# Altium PCB WL_RFFC.PcbDoc (part 2 of 3)
Units mm, origin at the board's own origin, x right, y up, seen from the top; angles counter-clockwise.
Board outline 175.23 x 130 mm, 2 copper layers (Top Layer, Bottom Layer), stack 1.57 mm thick; 373 components, 223 nets, 1150 pads, 1060 vias.
Unrouted connection lines stored in the file: 1.
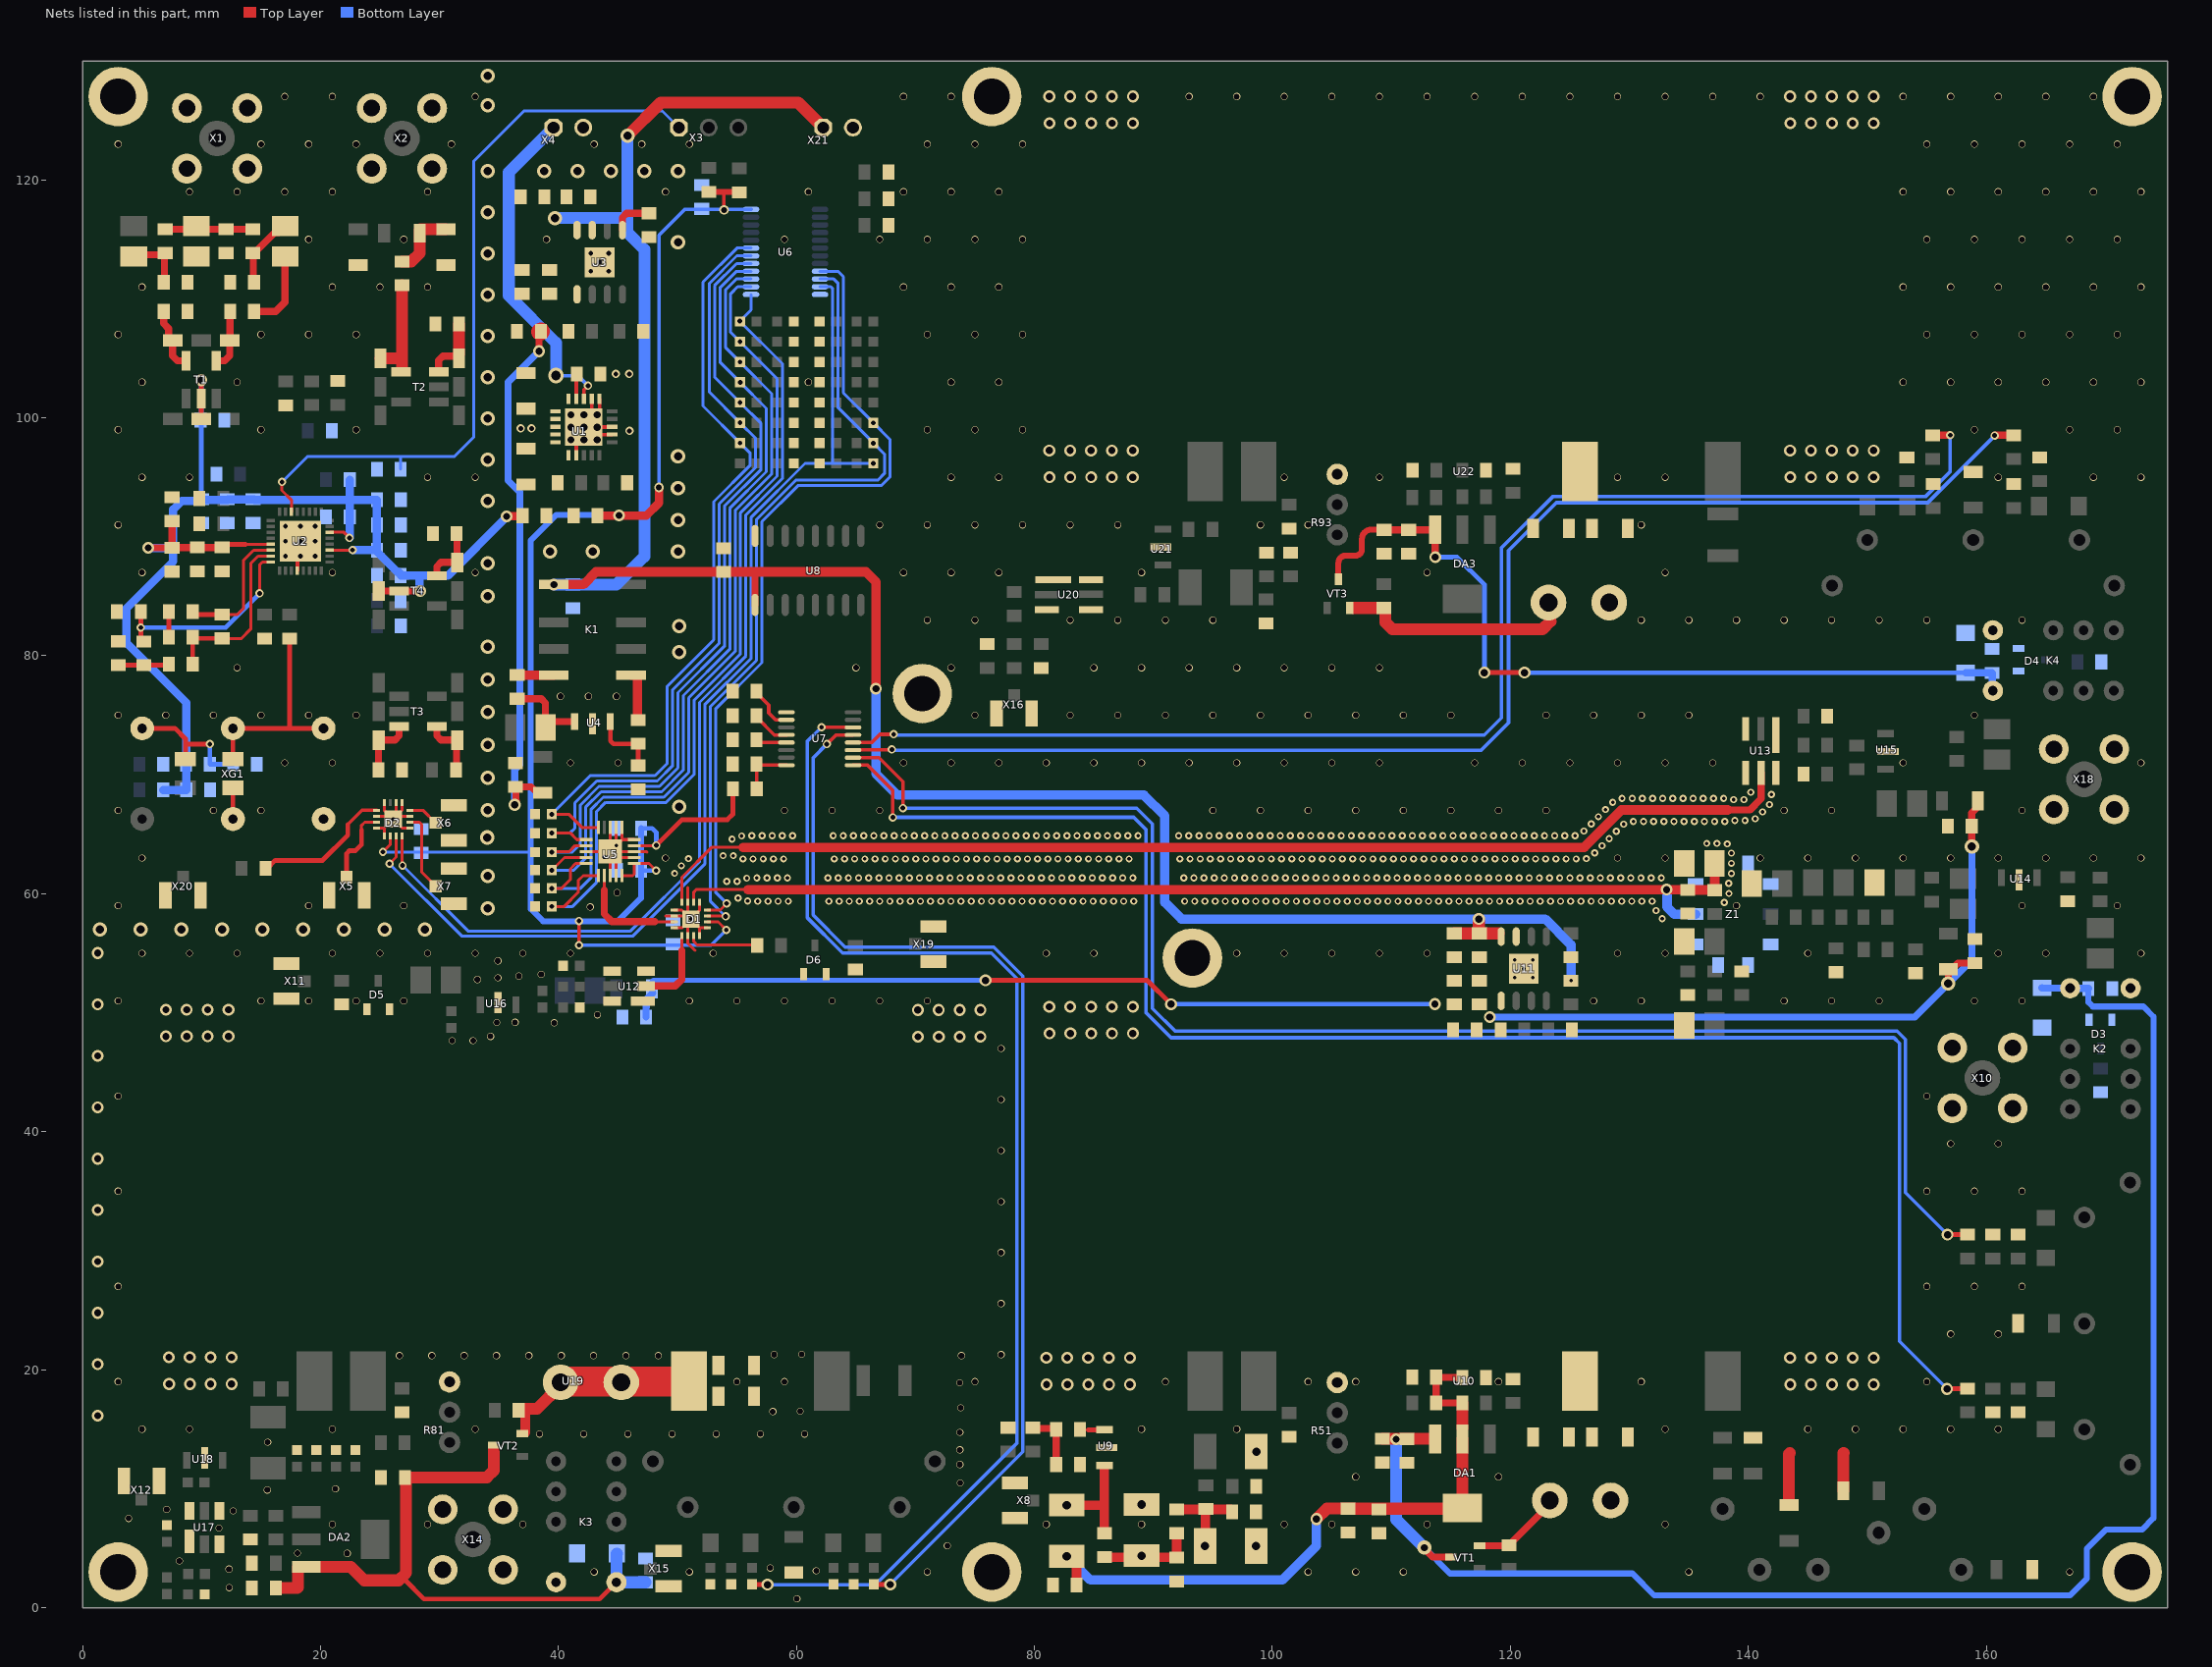
[diagram p2: the nets of this part, all layers, seen from the top]

## Via types
v1: diameter 0.6, hole 0.5, Top Layer to Bottom Layer, tented both sides, 413 vias
v2: diameter 0.6, hole 0.3, Top Layer to Bottom Layer, 380 vias
v3: diameter 1, hole 0.6, Top Layer to Bottom Layer, tented both sides, 135 vias
v4: diameter 0.7, hole 0.4, Top Layer to Bottom Layer, tented both sides, 63 vias
v5: diameter 1.2, hole 0.7, Top Layer to Bottom Layer, tented both sides, 51 vias
v6: diameter 1.27, hole 0.711, Top Layer to Bottom Layer, 12 vias
v7: diameter 0.8, hole 0.5, Top Layer to Bottom Layer, tented both sides, 2 vias
v8: diameter 0.6, hole 0.3, Top Layer to Bottom Layer, tented both sides, 1 vias
v9: diameter 0.8, hole 0.4, Top Layer to Bottom Layer, tented both sides, 1 vias
v10: diameter 1.2, hole 0.6, Top Layer to Bottom Layer, tented both sides, 1 vias
v11: diameter 1.3, hole 0.8, Top Layer to Bottom Layer, tented both sides, 1 vias

## Nets (pads, with @x,y where several pads share a name; then routed paths per layer and width w, separated by ;. In a path a pad name is that pad's centre, name@x,y a point inside that pad or via, vN(x,y) a via of type N, cw(c..) or ccw(c..) an arc to the next point about the centre after c; other vN are vias at no path point)
+3.3V: C9.2 C10.2 C14.2 C16.2 C20.2 C21.2 C22.2 C23.2 C24.2 C25.2 C26.2 C27.2 C28.2 C35.2 C56.1 C57.1 C58.2 C61.1 C62.1 D1.2 D2.2 FB1.2 FB2.2 FB3.1 R10.2 R17.1 R18.1 R23.1 R24.1 T1.2 T4.2 U2.5 U2.19 U2.22 U5.5 U5.6 U5.9 U6.24 | length 255.3
  Top Layer w0.25: 13.719,89.375 13.722,89.378 U2.5@15.838,89.378 ; U2.19@20.788,88.878 20.793,88.883 22.693,88.883 v4(22.698,88.888) ; U2.22@20.788,90.378 21.972,90.378 v4@22.375,89.975 ; v4@25.25,63.525 25.861,64.136 D2.2@25.861,64.865 ; U5.5@45.35,61.525 46.25,61.525 46.375,61.65 U5.6@46.375,62.55 47.606,62.55 v4(48.206,61.95) ; U5.9@46.375,64.05 v4@48.127,64.05 ; D1.2@52.521,57.633 53.417,57.633 v4@54.1,56.95
  Top Layer w0.3: v4@41.725,55.7 41.727,55.702 v4(41.727,57.71) ; v7(53.912,117.471) 53.912,118.961 53.929,118.978
  Top Layer w0.4: C22.2@7.524,89.08 C22.2@7.536,89.091 ; T1.2@9.971,99.902 T1.2@9.971,101.612 v3@9.971,103.121 ; C20.2@11.724,89.091 C20.2@11.736,89.103 ; C20.2@11.849,89.075 12.149,89.375 13.719,89.375 ; v4(48.217,64.065) 50.377,66.225 54.2,66.225 54.661,66.686 FB3.1@54.661,68.813
  Top Layer w0.5: R23.1@52.648,119.002 52.672,118.978 53.929,118.978 55.186,118.978 R24.1@55.21,118.954
  Top Layer w0.6: v3(5.534,89.067) 5.541,89.073 7.518,89.073 C22.2@7.524,89.08 C21.2@7.524,91.323 ; C22.2@7.536,89.091 C20.2@11.724,89.091 ; T4.2@24.899,85.455 T4.2@26.609,85.455 v3@28.27,85.455
  Top Layer w0.7: v3(35.65,91.725) 35.676,91.751 36.959,91.751 FB2.2@36.986,91.778 ; FB1.2@43.273,91.778 v3@44.997,91.778 ; v3(45.084,91.795) 47.395,91.795 48.45,92.85 v7(48.45,94.15)
  Bottom Layer w0.25: v4(25.247,63.515) 37.578,63.515 37.675,63.418
  Bottom Layer w0.3: v4(41.723,55.681) 52.827,55.681 v4(54.111,56.964) ; v7(48.45,94.15) 48.45,115.35 50.616,117.516 U6.24@56.183,117.516
  Bottom Layer w0.4: v3(9.984,103.163) 9.984,93.138 C26.2@10.021,93.1 ; C57.1@46.935,61.98 46.965,61.95 v4(48.206,61.95) v4@48.211,61.955 ; C56.1@46.935,65.5 47.871,65.5 48.217,65.155 v4(48.217,64.065) v4@48.211,64.059
  Bottom Layer w0.5: v3@45.084,91.825 39.8,91.825 37.675,89.7 37.675,63.418 37.675,58.722 38.709,57.688 45,57.688 46.935,59.623 C57.1@46.935,61.98 C56.1@46.935,65.5
  Bottom Layer w0.7: v3(5.534,89.067) 7.215,89.067 ; R18.1@6.785,68.735 C35.2@8.724,68.735 8.715,68.744 8.715,70.87 R17.1@8.706,70.879 8.706,76.069 3.7,81.075 3.7,84 7.625,87.925 7.625,92.3 8.346,93.021 9.943,93.021 10.021,93.1 12.18,93.1 12.238,93.158 C25.2@14.338,93.158 14.401,93.158 14.445,93.114 22.464,93.114 ; v4@22.453,89.902 22.453,91.814 22.464,91.825 22.464,93.114 ; R10.2@22.464,94.796 22.464,93.114 ; v4@22.723,88.888 22.734,88.877 C14.2@24.737,88.877 ; 28.327,86.398 28.327,85.505 v3(28.384,85.448) ; v3(35.65,91.725) 35.65,91.675 30.726,86.751 C28.2@26.738,86.751 26.738,86.876 26.588,87.026 26.476,87.026 24.748,88.753 C14.2@24.748,88.878 C9.2@24.748,90.996 C10.2@24.748,93.114 22.464,93.114
  other v4: 22.428,89.902
+5IN: C1.2 U1.13 U1.15 U1.16 X4.1 | length 28.3
  Top Layer w0.3: U1.13@42.15,101.6 42.15,102.364 v4(42.484,102.698)
  Bottom Layer w0.3: v11(39.799,103.55) 41.633,103.55 v4(42.484,102.698)
  Bottom Layer w1: X4.1@39.586,124.399 35.825,120.638 35.825,110.275 39.799,106.301 v11(39.799,103.55)
+5PGA: C44.2 C45.2 C46.2 C48.2 R20.2 R22.2 U3.5 | length 44.7
  Top Layer w0.6: C48.2@36.388,68.986 36.419,68.955 36.419,67.831 v3@36.45,67.8 ; C48.2@36.415,68.986 37.714,68.986 38.2,68.5 R22.2@38.202,68.5 ; v3@38.375,105.7 38.375,107.01 38.521,107.156 C46.2@38.521,107.281
  Top Layer w1.5: C46.2@38.475,107.235 C46.2@38.521,107.281
  Bottom Layer w0.6: v3(36.325,67.475) 36.325,70.425 36.75,70.85 36.75,93.75 35.775,94.725 35.775,102.999 v3(38.373,105.597)
+5PGA_1: C96.2 C97.2 C99.2 C109.2 C110.2 C111.2 R59.2 R70.2 R71.2 R72.2 U11.5 | length 128.3
  Top Layer w0.4: v3@75.9,52.731 89.47,52.731 v3(91.482,50.719)
  Top Layer w0.6: v5(156.8,52.45) 156.804,52.454 156.804,53.658 R70.2@156.807,53.662 ; R70.2@156.804,53.662 R70.2@156.807,53.662 ; v5@158.774,64.049 C110.2@158.774,65.694 158.777,65.697 158.777,66.802 159.225,67.25 R71.2@159.225,67.38 ; C109.2@159.024,54.186 159.012,54.174 157.619,54.174 157.107,53.662 R70.2@156.807,53.662
  Bottom Layer w0.4: R72.2@47.705,52.459 47.978,52.731 v3@75.9,52.731 ; v3@91.52,50.725 v3@113.675,50.725
  Bottom Layer w0.6: C111.2@47.367,49.65 47.373,51.103 R72.2@47.925,51.65 ; v3(118.267,49.632) 153.982,49.632 v5(156.8,52.45) 158.789,54.439 v5(158.789,63.961)
  other v3: 113.657,50.725 75.883,52.718
+12V: C39.2 C40.2 C42.2 C88.2 C89.2 C146.2 K1.1 R58.2 U3.4 U8.9 U11.4 X21.1 | length 192
  Top Layer w0.6: 56.19,87.05 56.521,86.72 U8.9@56.521,84.278
  Top Layer w0.8: K1.1@39.607,86 42.1,86 43.15,87.05 C146.2@53.875,87.05 56.19,87.05 65.85,87.05 66.7,86.2 v3@66.7,77.25
  Top Layer w1: v5(45.817,123.712) 48.605,126.5 60.149,126.5 X21.1@62.25,124.399 ; C88.2@115.286,56.672 C89.2@117.387,56.672 U11.4@119.02,56.672 ; C89.2@117.35,56.95 v3(117.35,57.875)
  Bottom Layer w0.8: v3(66.683,77.241) 66.683,70.092 68.475,68.3 89.2,68.3 90.95,66.55 90.95,59.289 92.364,57.875 v3(117.35,57.875) 122.925,57.875 125.098,55.702 v8(125.098,52.701)
  Bottom Layer w1: v3(39.618,85.988) 44.863,85.988 47.225,88.35 47.225,114.15 45.8,115.575 v5@45.8,123.725 ; v5(39.715,116.792) 45.55,116.792
+12V_1.2G: C121.2 C124.2 R82.2 U19.3 VT2.2 X13.1 | length 17.3
  Top Layer w0.8: R82.2@36.901,16.578 36.901,16.453 37.208,16.146 VT2.2@37.208,14.72
  Top Layer w1: R82.2@36.901,16.578 36.901,16.703 38.192,16.703 40.179,18.69 X13.1@40.179,18.939
  Top Layer w2.5: X13.1@40.179,18.939 40.235,18.995 50.929,18.995 U19.3@50.984,19.05
+12V_144: C77.2 C79.2 R52.2 U10.3 VT1.2 X9.1 | length 6.6
  Top Layer w0.6: VT1.2@117.41,5.198 119.823,5.198 X9.1@122.75,8.125
+12V_430: C138.2 C140.2 R94.2 U22.3 VT3.2 X17.1 | length 18.8
  Top Layer w1: 106.825,84.025 R94.2@109.375,84.025 109.5,84.025 109.5,82.811 110.086,82.225 122.7,82.225 123.375,82.9 ; X17.1@123.203,83.936 X17.1@123.203,84.477
ATT_1: C54.2 R41.1 U5.19 U6.16 | length 68.6
  Top Layer w0.25: v4(39.439,61.98) 40.51,63.05 U5.19@42.325,63.05
  Bottom Layer w0.25: v4(39.439,61.98) 41.28,61.98 42.275,62.975 42.275,67.261 43.589,68.575 48.677,68.575 50.5,70.398 50.5,76.65 54.4,80.55 54.4,92.391 57.475,95.466 57.475,100.786 v4(55.271,102.991) 53.575,104.686 53.575,110.929 54.961,112.316 U6.16@56.183,112.316
ATT_2: C55.2 R42.1 U5.17 U6.17 | length 67.4
  Top Layer w0.25: v4(39.439,63.503) 39.481,63.545 40.895,63.545 41.4,64.05 U5.17@42.325,64.05
  Bottom Layer w0.25: v4(39.439,63.503) 41.153,63.503 41.825,64.175 41.825,67.448 43.402,69.025 48.491,69.025 50.05,70.584 50.05,76.9 53.95,80.8 53.95,92.577 57.025,95.652 57.025,99.527 v4(55.261,101.291) 53.125,103.427 53.125,111.116 54.975,112.966 U6.17@56.183,112.966
ATT_4: C50.2 R43.1 U5.16 U6.18 | length 66.4
  Top Layer w0.25: v4(39.436,65.116) 40.984,65.116 41.55,64.55 U5.16@42.325,64.55
  Bottom Layer w0.25: v4(39.436,65.116) 40.991,65.116 41.375,65.5 41.375,67.634 43.216,69.475 48.304,69.475 49.6,70.771 49.6,77.15 53.5,81.05 53.5,92.764 56.575,95.839 56.575,98.272 v4(55.261,99.586) 52.675,102.172 52.675,111.302 54.989,113.616 U6.18@56.183,113.616
ATT_05: C53.2 R40.1 U5.20 U6.15 | length 70.8
  Top Layer w0.25: v4(39.439,60.456) 40.256,60.456 41,61.2 41,62.1 41.45,62.55 U5.20@42.325,62.55
  Bottom Layer w0.25: v4(39.439,60.456) 41.856,60.456 42.725,61.325 42.725,67.075 43.775,68.125 48.864,68.125 50.95,70.211 50.95,76.464 54.85,80.364 54.85,92.204 57.925,95.279 57.925,102.031 v4(55.261,104.695) 54.025,105.931 54.025,110.743 54.948,111.666 U6.15@56.183,111.666
ATT_8: C51.2 R44.1 U5.15 U6.19 | length 66.1
  Top Layer w0.25: v4(39.439,66.688) 40.862,66.688 41.975,65.575 U5.15@43.35,65.575
  Bottom Layer w0.25: v4(39.439,66.688) 42.676,69.925 48.118,69.925 49.15,70.957 49.15,77.45 53.05,81.35 53.05,92.95 56.125,96.025 56.125,97.018 v4(55.261,97.882) 52.15,100.993 52.15,111.414 55.002,114.266 U6.19@56.183,114.266
ATT_16: C52.2 R39.1 U5.1 U6.14 | length 72.5
  Top Layer w0.25: v4(39.439,58.933) 40.483,58.933 41.675,60.125 41.675,61.125 42.075,61.525 U5.1@43.35,61.525
  Bottom Layer w0.25: v4(39.439,58.933) 41.183,58.933 43.175,60.925 43.175,66.889 43.961,67.675 49.05,67.675 51.4,70.025 51.4,76.269 55.3,80.169 55.3,92.018 58.375,95.093 58.375,103.286 v4(55.261,106.4) 54.475,107.186 54.475,110.425 55.066,111.016 U6.14@56.183,111.016
BWD_1.2: R87.2 U7.6 | length 104.9
  Top Layer w0.3: v4@62.075,73.975 62.082,73.982 U7.6@64.754,73.982
  Top Layer w0.4: R87.2@56.264,1.954 57.346,1.954 v3@57.35,1.95
  Bottom Layer w0.3: v3(57.572,1.934) 66.634,1.934 78.532,13.832 78.532,52.879 76.386,55.025 64.2,55.025 63.893,55.025 60.9,58.018 60.9,58.325 60.9,72.796 v4(62.104,74)
BWD_144: R57.2 U7.2 | length 128.1
  Top Layer w0.3: U7.2@64.754,71.442 66.933,71.442 68.95,69.425 v4(68.95,67.2)
  Top Layer w0.4: v3@156.853,31.353 R57.2@158.414,31.353
  Bottom Layer w0.3: v4(68.95,67.2) 88.6,67.2 89.925,65.875 89.925,50.35 91.825,48.45 152.5,48.45 153.2,47.75 153.2,34.888 v3(156.738,31.35)
BWD_430: R99.2 U7.3 | length 117
  Top Layer w0.3: U7.3@64.754,72.077 64.763,72.087 67.987,72.087 v4(68.025,72.125)
  Top Layer w0.6: v4@160.71,98.535 R99.2@162.289,98.535
  Bottom Layer w0.3: v4(68.025,72.125) 68.089,72.061 117.536,72.061 119.85,74.375 119.85,88.85 123.875,92.875 133.275,92.875 155.082,92.875 160.697,98.489 v4(160.697,98.515)
D1_V1: D1.4 R35.1 U6.9 | length 68.8
  Top Layer w0.25: D1.4@52.521,58.633 53.583,58.633 v4(54.138,59.188)
  Bottom Layer w0.25: v4(54.138,59.188) 53.2,60.126 53.2,75.523 57.1,79.423 57.1,81.875 57.1,91.272 60.128,94.3 67.125,94.3 67.85,95.025 67.85,98.202 v4(66.47,99.582) 63.95,102.102 63.95,111.861 63.495,112.316 U6.9@61.983,112.316
D1_V2: D1.3 R36.1 U6.10 | length 68.7
  Top Layer w0.25: D1.3@52.521,58.133 54.017,58.133 v4(54.05,58.1)
  Bottom Layer w0.25: v4(54.05,58.1) 52.75,59.4 52.75,75.709 56.65,79.609 56.65,91.459 59.941,94.75 66.825,94.75 67.4,95.325 67.4,96.947 v4(66.47,97.877) 63.5,100.847 63.5,111.3 63.134,111.666 U6.10@61.983,111.666
D2_V1: D2.4 R38.1 U6.13 | length 84.6
  Top Layer w0.25: D2.4@26.861,64.865 26.861,62.419 v4(26.897,62.382)
  Bottom Layer w0.25: v4(26.897,62.382) 32.405,56.875 46.05,56.875 51.85,62.675 51.85,76.082 55.75,79.982 55.75,91.832 58.825,94.907 58.825,104.539 v4(55.238,108.126) 56.183,109.071 U6.13@56.183,110.366
D2_V2: D2.3 R37.1 U6.11 | length 92.9
  Top Layer w0.25: v4(25.802,62.531) 26.361,63.089 D2.3@26.361,64.865
  Bottom Layer w0.25: v4@25.708,62.617 31.9,56.425 46.236,56.425 52.3,62.489 52.3,75.896 56.2,79.796 56.2,91.645 60.732,96.177 v4(66.47,96.177) ; U6.11@61.983,111.016 62.884,111.016 63.05,110.85 63.05,96.25
ENX: C17.2 U2.30 X3.1 | length 64.3
  Top Layer w0.25: v4@16.75,94.575 16.75,93.901 17.563,93.088 U2.30@17.563,92.103
  Bottom Layer w0.25: v4(16.775,94.61) 18.915,96.75 31.25,96.75 32.875,98.375 32.875,121.575 37.1,125.8 48.724,125.8 X3.1@50.125,124.399 ; C17.2@26.738,95.682 26.738,96.684 26.752,96.698
FWD_1.2: R83.2 U7.5 | length 94.1
  Top Layer w0.3: v4(62.55,72.575) 63.322,73.347 U7.5@64.754,73.347
  Top Layer w0.4: R83.2@66.503,1.954 v3@67.721,1.954
  Bottom Layer w0.3: v4(62.55,72.575) 61.4,71.425 61.4,58.225 64.1,55.525 76.593,55.525 79.032,53.086 79.032,13.099 v3(67.887,1.954)
FWD_144: R53.2 U7.1 | length 140.4
  Top Layer w0.3: U7.1@64.754,70.807 65.993,70.807 68.1,68.7 v4(68.1,66.425)
  Top Layer w0.4: v3@156.737,18.412 R53.2@158.414,18.412
  Bottom Layer w0.3: v4(68.1,66.425) 88.35,66.425 89.375,65.4 89.375,50 91.475,47.9 152.225,47.9 152.7,47.425 152.7,22.382 v3(156.696,18.386)
FWD_430: R95.2 U7.4 | length 114.6
  Top Layer w0.3: U7.4@64.754,72.712 66.34,72.712 67.028,73.4 v4(68.175,73.4)
  Top Layer w0.6: R95.2@155.499,98.535 v4@156.935,98.535
  Bottom Layer w0.3: v4(68.175,73.4) 68.238,73.337 117.812,73.337 119.25,74.775 119.25,89.075 123.55,93.375 154.875,93.375 156.963,95.463 v4(156.963,98.54)
GND: A0.1 A1.1 C1.1 C2.1 C3.1 C5.1 C6.1 C8.1 C9.1 C10.1 C11.1 C14.1 C15.1 C16.1 C17.1 C18.2 C19.2 C20.1 C21.1 C22.1 C23.1 C24.1 C25.1 C26.1 C27.1 C28.1 C29.1 C30.2 C31.2 C32.1 C35.1 C37.2 C39.1 C40.1 C41.1 C42.1 C44.1 C45.1 C46.1 C47.1 C48.1 C50.1 C51.1 C52.1 C53.1 C54.1 C55.1 C56.2 C57.2 C58.1 C59.1 C60.1 C61.2 C62.2 C64.2 C65.2 C66.2 C68.1 C69.1 C70.1 C72.1 C74.1 C75.1 C76.1 C77.1 C78.1 C79.1 C81.1 C82.1 C83.1 C84.1 C85.1 C86.2 C87.2 C88.1 C89.1 C90.1 C92.1 C93.1 C95.1 C96.1 C97.1 C99.1 C105.1 C109.1 C110.1 C111.1 C114.1 C115.2 C116.1 C117.2 C118.2 C120.1 C121.1 C122.1 C123.1 C124.1 C126.1 C127.2 C128.2 C131.1 C132.2 C133.1 C134.2 C135.2 C137.1 C138.1 C139.1 C140.1 C141.1 C143.1 C144.2 C145.2 C146.1 D1.1 D1.5 D1.7 D1.9 D1.10 D1.12 D1.14 D1.16 D1.17 D2.1 D2.5 D2.7 D2.9 D2.10 D2.12 D2.14 D2.16 D2.17 D3.1 D3.2 D4.1 D4.2 D5.1 D5.2 D6.1 D6.2 K2.1 K3.1 K4.1 L2.1 L6.2 L7.2 L8.2 L12.2 L13.2 L14.2 L15.2 L17.1 pad.2 R1.2 R3.1 R5.2 R6.2 R7.2 R8.2 R9.2 R11.2 R13.2 R19.1 R21.1 R25.1 R26.1 R27.1 R28.1 R46.1 R48.1 R50.1 R51.3 R54.1 R55.1 R56.2 R60.1 R61.2 R62.2 R63.2 R67.2 R68.2 R69.2 R73.1 R74.1 R75.1 R77.1 R78.1 R80.1 R81.3 R84.1 R85.1 R86.2 R89.1 R90.1 R92.1 R93.3 R96.1 R97.1 R98.2 U1.2 U1.7 U1.8 U1.11 U1.12 U1.17 U1.18 U1.19 U1.21@41.05,98.15 U1.21@41.05,99.2 U1.21@41.05,100.25 U1.21@42.15,98.15 U1.21@42.15,99.2 U1.21@42.15,100.25 U1.21@42.125,99.225 U1.21@43.25,98.15 U1.21@43.25,99.2 U1.21@43.25,100.25 U2.12 U2.33 U3.3 U3.9 U4.2 U5.3 U5.4 U5.7 U5.8 U5.10 U5.11 U5.12 U5.13 U5.18 U5.21 U6.12 U7.9 U8.8 U9.2 U11.3 U11.9 U12.1 U12.3 U12.4 U12.6 U13.1 U13.3 U13.4 U13.6 U14.2 U15.2 U16.2 U17.1 U17.3 U17.4 U17.6 U18.2 U20.1 U20.3 U20.4 U20.6 U21.2 VD1.2 VD2.2 VD3.2 VD4.2 VD5.2 VD6.2 VD7.2 VD8.2 VD9.2 VD10.2 VD11.2 VD12.2 VD13.2 VD14.2 VD15.2 VD16.2 VD17.2 VD20.1 VD23.1 VD26.1 X1.2 X2.2 X4.2 X5.2 X6.2 X7.2 X8.2 X10.2 X11.2 X12.2 X14.2 X15.2 X16.2 X18.2 X19.2 X20.2 X21.2 XG1.2 Z1.1 Z1.3 Z1.4 Z1.5 Z1.6 Z1.8 Z1.9 Z1.10 | length 67.2
  Top Layer w0.25: D2.16@24.711,65.515 25.361,65.515 ; D2.14@24.711,66.515 25.739,66.515 25.989,66.265 D2.17@26.111,66.265 ; D2.1@25.361,64.865 25.361,65.515 ; D2.12@25.361,67.665 25.361,67.015 D2.17@26.111,66.265 ; D2.10@26.361,67.665 26.361,66.637 26.111,66.387 D2.17@26.111,66.265 ; D2.9@26.861,67.665 26.861,67.015 D2.17@26.111,66.265 ; D2.5@27.511,65.515 26.861,65.515 D2.17@26.111,66.265 ; D2.7@27.511,66.515 26.483,66.515 26.233,66.265 D2.17@26.111,66.265 ; U5.18@42.325,63.55 U5.21@44.35,63.55 ; U5.3@44.35,61.525 U5.21@44.35,63.55 ; U5.13@44.35,65.575 U5.21@44.35,63.55 ; U5.4@44.85,61.525 U5.21@44.85,63.05 ; U5.12@44.85,65.575 U5.21@44.85,64.05 ; U5.11@45.35,65.575 45.35,64.55 ; U5.7@46.375,63.05 U5.21@44.85,63.05 ; U5.10@46.375,64.55 45.35,64.55 ; 47.45,63.5 47.4,63.55 U5.8@46.375,63.55 U5.21@44.35,63.55 ; 49.025,58.15 49.042,58.133 D1.10@49.721,58.133 50.749,58.133 50.999,57.883 D1.17@51.121,57.883 ; D1.12@49.721,57.133 50.371,57.133 D1.17@51.121,57.883 ; D1.9@49.721,58.633 50.379,58.633 D1.17@50.527,58.485 ; 50.875,60.525 50.871,60.521 D1.7@50.871,59.283 50.871,58.255 51.121,58.005 D1.17@51.121,57.883 ; 51.47,55.246 50.871,55.846 D1.14@50.871,56.483 50.871,57.511 51.121,57.761 D1.17@51.121,57.883 ; D1.16@51.871,56.483 51.871,57.133 ; D1.5@51.871,59.283 51.871,58.633 D1.17@51.121,57.883 ; D1.1@52.521,57.133 51.871,57.133 ; 25.361,65.515 D2.17@26.111,66.265 ; U5.21@44.35,63.55 U5.21@44.85,64.05 ; U5.21@44.35,63.55 U5.21@44.85,63.05 ; U5.21@44.85,64.05 45.35,64.55 ; D1.17@51.121,57.883 51.871,57.133
  Top Layer w0.3: U2.12@18.063,87.153 18.063,88.02 18.313,88.27 U2.33@18.313,88.378 ; U1.2@41.5,96.85 41.5,98.55 U1.21@42.125,99.175 ; U1.21@42.125,99.225 U1.21@42.15,99.2 42.75,98.6 U1.7@44.5,98.6 ; U1.21@42.144,99.225 U1.21@42.8,99.881 ; U1.12@42.8,101.6 U1.21@42.8,99.881 ; U1.21@43.25,99.2 43.275,99.225 44.475,99.225 U1.8@44.5,99.25 ; U1.11@43.45,101.6 43.45,100.531 U1.21@42.8,99.881
  Top Layer w0.4: XG1.2@12.643,66.282 12.643,68.897 XG1.2@12.648,68.902
  Top Layer w1: C82.1@143.412,8.614 143.412,12.912 143.5,13 ; C83.1@147.97,9.824 147.97,12.97 148,13
  other v1: 60.042,0.753 12.338,1.684 43,3 51,3 71,3 103,3 107,3 111,3 135,3 167,3 61.665,3.096 12.313,3.234 57.805,3.33 8.145,3.93 22.253,4.563 18.061,4.584 72.681,5.21 11.463,6.689 21,7 29,7 37,7 81,7 89,7 101,7 105,7 113,7 133,7 3.876,7.504 12.666,8.137 7.073,8.26 15.534,9.893 21.263,9.984 73.763,10.484 107,11 119,11 73.738,12.034 73.738,13.259 15.566,13.908 38.412,14.599 42.123,14.599 45.834,14.599 49.545,14.599 53.256,14.599 56.968,14.599 60.679,14.599 73.738,14.734 5,15 9,15 21,15 29,15 33,15 89,15 97,15 133,15 145,15 149,15 153,15 157,15 161,15 58.013,16.484 60.313,16.509 73.81,16.797 73.713,18.909 3,19 55,19 59,19 75,19 91,19 103,19 107,19 119,19 131,19 155,19 26.638,21.184 29.357,21.184 32.076,21.184 34.795,21.184 37.513,21.184 40.232,21.184 42.951,21.184 45.67,21.184 48.388,21.184 73.867,21.181 77.204,21.265 58.128,21.275 60.438,21.284 157,23 161,23 77.204,25.554 3,27 155,27 159,27 163,27 77.204,29.843 77.204,34.133 3,35 155,35 159,35 163,35 77.204,38.422 157,39 161,39 77.204,42.711 3,43 155,43 77.204,47 32.826,47.652 31.063,47.659 34.295,48.012 39.651,49.155 34.813,49.184 36.358,49.195 43.284,49.827 3,51 15,51 19,51 23,51 27,51 51,51 55,51 59,51 63,51 67,51 71,51 127,51 131,51 143,51 147,51 151,51 159,51 163,51 33.191,52.79 34.913,52.934 36.667,53.078 38.552,53.221 34.913,54.359 5,55 9,55 13,55 21,55 25,55 29,55 33,55 37,55 41,55 53,55 81,55 85,55 97,55 101,55 105,55 109,55 113,55 129,55 133,55 145,55 161,55 165,55 173,55 42.673,58.895 3,59 19,59 27,59 139,59 163,59 171,59 44.921,60.097 5,63 49,63 129,63 133,63 141,63 145,63 149,63 153,63 157,63 161,63 165,63 169,63 173,63 3,67 11,67 15,67 59,67 63,67 67,67 95,67 99,67 103,67 107,67 111,67 115,67 119,67 123,67 143,67 147,67 163,67 17,71 21,71 41,71 45,71 69,71 73,71 77,71 81,71 85,71 89,71 93,71 97,71 101,71 105,71 109,71 117,71 121,71 125,71 129,71 133,71 137,71 153,71 173,71 3,75 7,75 11,75 15,75 19,75 23,75 75,75 83,75 87,75 91,75 95,75 99,75 103,75 107,75 111,75 115,75 123,75 127,75 131,75 135,75 159,75 40.171,76.597 42.521,76.597 44.871,76.597 13,79 65,79 73,79 85,79 89,79 93,79 97,79 101,79 105,79 109,79 71,83 75,83 83,83 87,83 91,83 95,83 131,83 135,83 139,83 143,83 147,83 151,83 155,83 163,83 5,87 21,87 33,87 69,87 73,87 77,87 89,87 113,87 133,87 3,91 67,91 71,91 75,91 79,91 83,91 87,91 99,91 103,91 131,91 5,95 9,95 29,95 33,95 73,95 77,95 101,95 109,95 129,95 133,95 161,95 169,95 173,95 3,99 15,99 23,99 71,99 75,99 79,99 159,99 167,99 171,99 5,103 13,103 61,103 73,103 77,103 153,103 157,103 161,103 165,103 169,103 173,103 3,107 15,107 19,107 23,107 71,107 75,107 79,107 155,107 159,107 163,107 167,107 171,107 5,111 21,111 25,111 29,111 69,111 73,111 77,111 153,111 157,111 161,111 165,111 169,111 173,111 19,115 27,115 39,115 59,115 67,115 71,115 75,115 79,115 155,115 159,115 163,115 167,115 171,115 9,119 13,119 17,119 21,119 29,119 49,119 61,119 69,119 73,119 77,119 153,119 157,119 161,119 165,119 169,119 173,119 3,123 15,123 19,123 23,123 31,123 43,123 47,123 51,123 71,123 75,123 79,123 155,123 159,123 163,123 167,123 171,123 17,127 21,127 33,127 69,127 73,127 93,127 97,127 101,127 105,127 109,127 113,127 117,127 121,127 125,127 129,127 133,127 137,127 141,127 153,127 157,127 161,127 165,127 169,127
  other v2: 132.761,57.913 132.244,58.593 137.969,59.27 55.901,59.386 56.755,59.377 57.609,59.377 58.463,59.377 59.317,59.377 62.733,59.377 63.587,59.377 64.441,59.377 65.295,59.377 66.149,59.377 67.003,59.377 67.857,59.377 68.711,59.377 69.565,59.377 70.419,59.377 71.273,59.377 72.127,59.377 72.981,59.377 73.835,59.377 74.689,59.377 75.543,59.377 76.397,59.377 77.251,59.377 78.105,59.377 78.959,59.377 79.813,59.377 80.667,59.377 81.521,59.377 82.375,59.377 83.229,59.377 84.083,59.377 84.937,59.377 85.791,59.377 86.645,59.377 87.499,59.377 88.353,59.377 92.623,59.377 93.477,59.377 94.331,59.377 95.185,59.377 96.039,59.377 96.893,59.377 97.747,59.377 98.601,59.377 99.455,59.377 100.309,59.377 101.163,59.377 102.017,59.377 102.871,59.377 103.725,59.377 104.579,59.377 105.433,59.377 106.287,59.377 107.141,59.377 107.995,59.377 108.849,59.377 109.703,59.377 110.557,59.377 111.411,59.377 112.265,59.377 113.119,59.377 113.973,59.377 114.827,59.377 115.681,59.377 116.535,59.377 117.389,59.377 118.243,59.377 119.097,59.377 119.951,59.377 120.805,59.377 121.659,59.377 122.513,59.377 123.367,59.377 124.221,59.377 125.075,59.377 125.929,59.377 126.783,59.377 127.637,59.377 128.491,59.377 129.345,59.377 130.199,59.377 131.053,59.377 131.907,59.377 55.089,59.65 138.369,60.025 138.354,60.879 54.156,61.05 55.01,61.05 55.824,61.31 56.678,61.323 57.532,61.323 58.386,61.323 59.24,61.323 62.656,61.323 63.51,61.323 64.364,61.323 65.218,61.323 66.072,61.323 66.926,61.323 67.78,61.323 68.634,61.323 69.488,61.323 70.342,61.323 71.196,61.323 72.05,61.323 72.904,61.323 73.758,61.323 74.612,61.323 75.466,61.323 76.32,61.323 77.174,61.323 78.028,61.323 78.882,61.323 79.736,61.323 80.59,61.323 81.444,61.323 82.298,61.323 83.152,61.323 84.006,61.323 84.86,61.323 85.714,61.323 86.568,61.323 87.422,61.323 88.276,61.323 92.546,61.323 93.4,61.323 94.254,61.323 95.108,61.323 95.962,61.323 96.816,61.323 97.67,61.323 98.524,61.323 99.378,61.323 100.232,61.323 101.086,61.323 101.94,61.323 102.794,61.323 103.648,61.323 104.502,61.323 105.356,61.323 106.21,61.323 107.064,61.323 107.918,61.323 108.772,61.323 109.626,61.323 110.48,61.323 111.334,61.323 112.188,61.323 113.042,61.323 113.896,61.323 114.75,61.323 115.604,61.323 116.458,61.323 117.312,61.323 118.166,61.323 119.02,61.323 119.874,61.323 120.728,61.323 121.582,61.323 122.436,61.323 123.29,61.323 124.144,61.323 124.998,61.323 125.852,61.323 126.706,61.323 127.56,61.323 128.414,61.323 129.268,61.323 130.122,61.323 130.976,61.323 131.83,61.323 132.684,61.323 49.759,61.717 138.577,61.703 50.334,62.349 138.577,62.557 55.504,62.927 56.358,62.927 57.212,62.927 58.066,62.927 58.92,62.927 63.19,62.927 64.044,62.927 64.898,62.927 65.752,62.927 66.606,62.927 67.46,62.927 68.314,62.927 69.168,62.927 70.022,62.927 70.876,62.927 71.73,62.927 72.584,62.927 73.438,62.927 74.292,62.927 75.146,62.927 76,62.927 76.854,62.927 77.708,62.927 78.562,62.927 79.416,62.927 80.27,62.927 81.124,62.927 81.978,62.927 82.832,62.927 83.686,62.927 84.54,62.927 85.394,62.927 86.248,62.927 87.102,62.927 87.956,62.927 92.226,62.927 93.08,62.927 93.934,62.927 94.788,62.927 95.642,62.927 96.496,62.927 97.35,62.927 98.204,62.927 99.058,62.927 99.912,62.927 100.766,62.927 101.62,62.927 102.474,62.927 103.328,62.927 104.182,62.927 105.036,62.927 105.89,62.927 106.744,62.927 107.598,62.927 108.452,62.927 109.306,62.927 110.16,62.927 111.014,62.927 111.868,62.927 112.722,62.927 113.576,62.927 114.43,62.927 115.284,62.927 116.138,62.927 116.992,62.927 117.846,62.927 118.7,62.927 119.554,62.927 120.408,62.927 121.262,62.927 122.116,62.927 122.97,62.927 123.824,62.927 124.678,62.927 125.532,62.927 50.937,62.953 126.386,62.955 53.841,63.2 54.695,63.2 127.096,63.429 138.577,63.411 127.7,64.033 138.228,64.191 136.504,64.234 137.358,64.234 54.585,64.6 128.304,64.637 55.398,64.862 56.252,64.873 57.106,64.873 57.96,64.873 58.814,64.873 59.668,64.873 63.084,64.873 63.938,64.873 64.792,64.873 65.646,64.873 66.5,64.873 67.354,64.873 68.208,64.873 69.062,64.873 69.916,64.873 70.77,64.873 71.624,64.873 72.478,64.873 73.332,64.873 74.186,64.873 75.04,64.873 75.894,64.873 76.748,64.873 77.602,64.873 78.456,64.873 79.31,64.873 80.164,64.873 81.018,64.873 81.872,64.873 82.726,64.873 83.58,64.873 84.434,64.873 85.288,64.873 86.142,64.873 86.996,64.873 87.85,64.873 88.704,64.873 92.12,64.873 92.974,64.873 93.828,64.873 94.682,64.873 95.536,64.873 96.39,64.873 97.244,64.873 98.098,64.873 98.952,64.873 99.806,64.873 100.66,64.873 101.514,64.873 102.368,64.873 103.222,64.873 104.076,64.873 104.93,64.873 105.784,64.873 106.638,64.873 107.492,64.873 108.346,64.873 109.2,64.873 110.054,64.873 110.908,64.873 111.762,64.873 112.616,64.873 113.47,64.873 114.324,64.873 115.178,64.873 116.032,64.873 116.886,64.873 117.74,64.873 118.594,64.873 119.448,64.873 120.302,64.873 121.156,64.873 122.01,64.873 122.864,64.873 123.718,64.873 124.572,64.873 125.426,64.873 128.907,65.241 126.183,65.267 129.511,65.844 126.787,65.871 130.333,66.077 131.187,66.077 132.041,66.077 132.895,66.077 133.749,66.077 134.603,66.077 135.457,66.077 136.311,66.077 137.165,66.077 138.019,66.077 138.868,66.166 139.722,66.166 140.566,66.3 127.391,66.475 141.19,66.883 127.995,67.079 141.78,67.5 128.599,67.683 138.768,67.907 139.622,67.907 129.382,68.023 130.236,68.023 131.09,68.023 131.944,68.023 132.798,68.023 133.652,68.023 134.506,68.023 135.36,68.023 136.214,68.023 137.068,68.023 137.922,68.023 141.944,68.338 140.203,68.534
  other v3: 1.269,16.136 81.024,18.759 82.774,18.759 84.524,18.759 86.274,18.759 88.024,18.759 143.524,18.759 145.274,18.759 147.024,18.759 148.774,18.759 150.524,18.759 7.275,18.797 9.025,18.797 10.775,18.797 12.525,18.797 1.269,20.456 81.006,21.009 82.76,21.009 84.515,21.009 86.27,21.009 88.024,21.009 143.506,21.009 145.26,21.009 147.015,21.009 148.77,21.009 150.524,21.009 7.262,21.047 9.016,21.047 10.771,21.047 12.525,21.047 1.269,24.776 1.269,29.096 1.269,33.416 1.269,37.736 1.269,42.056 1.269,46.376 70.219,47.989 71.969,47.989 73.719,47.989 75.469,47.989 7.019,48.014 8.769,48.014 10.519,48.014 12.269,48.014 81.274,48.259 83.024,48.259 84.774,48.259 86.524,48.259 88.274,48.259 70.205,50.239 71.96,50.239 73.715,50.239 75.469,50.239 7.005,50.264 8.76,50.264 10.515,50.264 12.269,50.264 81.256,50.509 83.01,50.509 84.765,50.509 86.52,50.509 88.274,50.509 1.269,50.696 1.269,55.016 81.269,95.005 83.019,95.005 84.769,95.005 86.519,95.005 88.269,95.005 143.524,95.009 145.274,95.009 147.024,95.009 148.774,95.009 150.524,95.009 81.25,97.255 83.005,97.255 84.759,97.255 86.514,97.255 88.269,97.255 143.506,97.259 145.26,97.259 147.015,97.259 148.77,97.259 150.524,97.259 81.274,124.759 83.024,124.759 84.774,124.759 86.524,124.759 88.274,124.759 143.524,124.759 145.274,124.759 147.024,124.759 148.774,124.759 150.524,124.759 81.256,127.009 83.01,127.009 84.765,127.009 86.52,127.009 88.274,127.009 143.506,127.009 145.26,127.009 147.015,127.009 148.77,127.009 150.524,127.009
  other v4: 45.96,98.906 36.836,99.111 37.735,99.111 44.82,103.686 45.943,103.686
  other v5: 1.482,57.008 4.896,57.008 8.309,57.008 11.723,57.008 15.137,57.008 18.551,57.008 21.965,57.008 25.379,57.008 28.793,57.008 34.043,58.758 34.043,61.508 34.014,64.734 34.043,67.008 50.158,67.304 34.043,69.758 34.043,72.508 34.043,75.258 34.043,78.008 50.158,80.302 34.043,80.758 50.158,82.508 34.043,85.008 34.043,87.758 39.293,88.758 42.876,88.758 50.043,88.758 50.043,91.425 34.043,93.008 50.043,94.091 34.043,96.477 50.043,96.758 34.043,99.946 34.043,103.414 34.043,106.883 34.043,110.352 34.043,113.821 50.043,114.758 34.043,117.289 34.043,120.758 38.793,120.758 41.605,120.758 44.418,120.758 47.23,120.758 50.043,120.758 34.043,126.258 34.043,128.758
  other v6: 98.635,5.187 88.996,8.666 98.646,13.12
IN_PGA: D1.11 U5.2 | length 9.4
  Top Layer w0.25: 43.85,60.3 U5.2@43.85,61.525 ; 48.077,57.65 48.094,57.633 D1.11@49.721,57.633
  Top Layer w0.6: 43.85,60.3 43.85,58.3 44.5,57.65 48.077,57.65
IN_RX144: C90.2 C91.2 D1.6 L12.1 Z1.7 | length 93.2
  Top Layer w0.25: D1.6@51.371,59.283 51.371,60.146 51.575,60.35 55.945,60.35
  Top Layer w0.8: 55.945,60.35 v3(133.125,60.35) 133.134,60.341 134.887,60.341 C90.2@134.897,60.331 134.911,60.317 137.165,60.317 C91.2@137.171,60.311 ; L12.1@137.162,62.549 137.171,62.54 C91.2@137.171,60.311 ; C91.2@137.179,60.302 C91.2@137.171,60.311
  Bottom Layer w0.8: v3(133.125,60.35) 133.163,60.312 133.163,58.887 133.775,58.275 135.321,58.275 135.332,58.286 Z1.7@135.571,58.286
IN_RX430: D1.8 U13.5 | length 97.7
  Top Layer w0.25: D1.8@50.371,59.283 50.371,61.396 52.875,63.9 55.5,63.9
  Top Layer w0.6: 138.289,67.036 140.111,67.036 141.073,67.998 U13.5@141.073,70.158
  Top Layer w0.8: 55.5,63.9 126.191,63.9 129.341,67.05 138.275,67.05
IN_RX_G1.2: D1.13 U12.2 | length 6.9
  Top Layer w0.25: 50.371,55.229 D1.13@50.371,56.483
  Top Layer w0.6: U12.2@47.348,52.231 47.367,52.25 49.825,52.25 50.371,52.796 50.371,55.229
IN_RX_WB: C148.1 D1.15 | length 5.6
  Top Layer w0.25: D1.15@51.371,56.483 51.371,55.982 51.657,55.696 C148.1@56.401,55.696
IN_TX144: D2.6 X7.1 | length 6.8
  Top Layer w0.25: D2.6@27.511,66.015 28.31,66.015 28.5,65.825 28.5,61.82 29.287,61.033 29.287,61.008 29.662,60.633 X7.1@29.687,60.633
IN_TX430: D2.8 X6.1 | length 2.6
  Top Layer w0.25: D2.8@27.511,67.015 28.618,67.015 29.662,65.971 X6.1@29.687,65.971
IN_TX_G1.2: D2.15 X5.1 | length 6.5
  Top Layer w0.25: 23.45,65.375 23.45,65.75 23.715,66.015 D2.15@24.711,66.015
  Top Layer w0.4: X5.1@22.205,61.395 22.205,63.396 22.439,63.63 22.955,63.63 23.45,64.125 23.45,65.375
IN_TX_WB: C147.1 D2.13 | length 11.8
  Top Layer w0.3: 22.3,65.825 23.49,67.015 D2.13@24.711,67.015
  Top Layer w0.4: C147.1@15.511,62.111 16.2,62.8 20.175,62.8 22.3,64.925 22.3,65.825
K_1.2: C122.2 C123.2 C128.1 DA2.3 K3.12 VD23.2 VT2.3 | length 54
  Top Layer w0.4: 27.025,2.4 28.7,0.725 43.46,0.725 K3.12@44.876,2.141
  Top Layer w1: C122.2@16.241,1.646 18.046,1.646 18.094,1.694 18.094,3.427 DA2.3@18.794,3.427 22.548,3.427 23.675,2.3 26.575,2.3 27.2,2.925 C123.2@27.2,10.4 ; C123.2@27.525,10.95 33.983,10.95 34.569,11.536 34.569,13.35
  Bottom Layer w1: VD23.2@44.911,4.557 44.894,4.54 44.894,2.159 K3.12@44.876,2.141 44.891,2.127 C128.1@47.304,2.127
K_144: C74.2 C75.2 C87.1 DA1.3 K2.12 VD20.2 VT1.3 | length 137.4
  Top Layer w0.6: v10@112.8,4.925 113.477,4.248 VT1.3@115.01,4.248
  Top Layer w1: C75.2@109.239,14.193 113.675,14.193 DA1.3@113.675,14.175
  Bottom Layer w0.5: v10(112.76,5.042) 114.927,2.875 130.25,2.875 132.1,1.025 167.025,1.025 168.45,2.45 168.45,4.96 170.049,6.559 173.084,6.559 174.05,7.525 174.05,49.675 173.2,50.525 168.95,50.525 168.582,50.893 C87.1@168.582,52.04
  Bottom Layer w0.6: VD20.2@164.68,52.09 164.694,52.076 167.029,52.076 K2.12@167.043,52.062 ; K2.12@167.043,52.052 168.57,52.052 C87.1@168.582,52.04
  Bottom Layer w1: v3(110.39,14.16) 110.39,7.412 v10(112.76,5.042)
K_430: C139.2 C141.2 C145.1 DA3.3 K4.12 VD26.2 VT3.3 | length 70.4
  Top Layer w0.4: v3@117.836,78.586 v3(121.183,78.586)
  Top Layer w0.5: VT3.3@105.547,86.421 105.547,87.797 cw(c106.175,87.797) 106.175,88.425 107,88.425 ccw(c107,88.95) 107.525,88.95 107.525,89.825 cw(c108.3,89.825) 108.3,90.6 109.392,90.6 C141.2@109.392,90.586
  Top Layer w0.6: C141.2@109.392,90.586 C139.2@111.454,90.586 113.661,90.586 DA3.3@113.675,90.6 v3@113.675,88.375
  Bottom Layer w0.4: v3(113.685,88.294) 115.506,88.294 117.812,85.988 v3(117.812,78.586) ; v3@121.198,78.573 VD26.2@158.26,78.573
  Bottom Layer w0.6: VD26.2@158.26,78.573 158.265,78.567 160.47,78.567 C145.1@160.476,78.562 160.513,78.525 160.513,77.103 K4.12@160.551,77.066 K4.12@160.576,77.041
NetA0_2: A0.2 U7.12 | length 3.3
  Top Layer w0.3: A0.2@56.638,74.98 56.638,74.855 58.146,73.347 U7.12@59.154,73.347
NetA1_2: A1.2 U7.13 | length 2.4
  Top Layer w0.3: A1.2@56.638,72.94 A1.2@56.638,73.065 ; A1.2@56.875,72.712 U7.13@59.154,72.712
NetC2_2: C2.2 U1.14 | length 2.1
  Top Layer w0.3: C2.2@41.5,103.645 C2.2@41.532,103.676
  Top Layer w0.35: U1.14@41.5,101.6 C2.2@41.5,103.645
NetC3_2: C3.2 C4.1 L1.2 | length 5.2
  Top Layer w0.6: L1.2@4.316,113.555 4.462,113.701 6.808,113.701 C4.1@6.89,113.782 ; C3.2@6.826,111.397 6.89,111.461 C4.1@6.89,113.782 ; C4.1@6.954,113.847 C4.1@6.89,113.782
NetC4_2: C4.2 C5.2 C7.1 L2.2 | length 7.4
  Top Layer w0.6: C4.2@6.954,115.847 C5.2@12.072,115.847 C7.1@14.313,115.847
NetC6_2: C6.2 FB1.1 FB2.1 R2.2 U1.1 U1.20
NetC7_2: C7.2 C8.2 L3.1 | length 6.1
  Top Layer w0.6: C8.2@14.413,111.397 14.363,111.447 14.363,113.797 C7.2@14.313,113.847 14.438,113.847 16.147,115.555 16.476,115.555 L3.1@17.026,116.105
NetC12_1: C12.1 L3.2 | length 6.8
  Top Layer w0.6: C12.1@14.413,108.939 16.239,108.939 17.026,109.726 L3.2@17.026,113.555
NetC12_2: C12.2 T1.6 | length 5
  Top Layer w0.6: T1.6@11.241,104.792 11.942,104.792 12.371,105.221 T1.6@12.371,106.502 12.392,106.523 12.392,108.918 C12.2@12.413,108.939
NetC13_1: C13.1 R4.2 R5.1 | length 6
  Top Layer w1: C13.1@26.85,113.141 27.639,113.141 28.35,113.852 R4.2@28.35,115.52 28.35,115.82 28.367,115.837 R5.1@30.532,115.837
NetC13_2: C13.2 T2.4 | length 9.1
  Top Layer w0.6: T2.4@26.76,103.87 26.76,104.649
  Top Layer w1: T2.4@25.05,105 26.409,105 ; T2.4@26.85,104.184 C13.2@26.85,111.141
NetC18_1: C18.1 T1.4 | length 5.4
  Top Layer w0.6: C18.1@6.826,108.939 6.826,107.924 7.25,107.5 7.25,106.702 7.45,106.502 T1.4@7.571,106.502 7.571,105.204 7.983,104.792 T1.4@8.701,104.792
NetC19_1: C19.1 T2.3 | length 5.4
  Top Layer w0.6: T2.3@29.94,103.87 29.94,104.84 30.291,105.191 31.514,105.191 T2.3@31.649,105.326
  Top Layer w1: T2.3@31.649,105.326 C19.1@31.649,107.885
NetC29_2: C29.2 R14.1 U2.8 | length 17.2
  Top Layer w0.25: v4(14.889,85.249) 14.875,85.263 14.875,87.625 15.128,87.878 U2.8@15.838,87.878
  Top Layer w0.4: C29.2@4.898,83.7 4.898,81.455 R14.1@5.145,81.208
  Bottom Layer w0.4: v4@4.926,82.372 12.036,82.372 v4@14.914,85.249
  other v4: 4.901,82.372
NetC30_1: C30.1 T3.3 | length 5.2
  Top Layer w0.6: C30.1@24.863,70.413 24.881,70.431 24.881,72.902 T3.3@24.899,72.92 26.257,72.92 26.609,73.271 T3.3@26.609,74.05
NetC31_1: C31.1 T4.4 | length 5.1
  Top Layer w0.6: T4.4@29.789,86.725 29.789,87.504 30.14,87.855 T4.4@31.499,87.855 31.474,87.88 31.474,90.236 C31.1@31.449,90.26
NetC32_2: C32.2 R14.2 R16.1 | length 4.3
  Top Layer w0.4: C32.2@3.002,79.212 5.141,79.212 R14.2@5.145,79.208 7.157,79.208 R16.1@7.258,79.309 ; C32.2@3.023,79.217 C32.2@3.027,79.212
NetC33_1: C33.1 C36.1 R16.2 U2.7 | length 15
  Top Layer w0.25: C36.1@11.736,81.461 13.361,81.461 14.137,82.237 14.137,87.762 14.753,88.378 U2.7@15.838,88.378
  Top Layer w0.4: R16.2@9.258,79.309 C33.1@9.258,81.573 9.369,81.461 C36.1@11.736,81.461
NetC33_2: C33.2 R15.1 | length 2.1
  Top Layer w0.4: C33.2@7.258,81.573 R15.1@7.258,83.7
NetC34_2: C34.2 T3.4 | length 5.2
  Top Layer w0.6: T3.4@29.789,74.05 29.789,73.271 30.14,72.92 T3.4@31.499,72.92 31.43,72.851 31.43,70.482 C34.2@31.362,70.413
NetC36_2: C36.2 R15.2 U2.6 | length 11.3
  Top Layer w0.25: C36.2@11.736,83.461 13.005,83.461 13.523,83.98 13.523,88.023 14.378,88.878 U2.6@15.838,88.878
  Top Layer w0.4: R15.2@9.258,83.7 9.496,83.461 C36.2@11.736,83.461
NetC37_1: C37.1 R17.2 XG1.4 | length 11.3
  Top Layer w0.4: XG1.4@5.023,73.902 7.773,73.902 8.648,73.027 8.648,72.525 ; XG1.4@8.648,71.302 8.648,72.525 ; v4(10.7,72.581) 8.704,72.581 8.648,72.525
  Bottom Layer w0.4: v4@10.7,72.45 10.706,72.444 R17.2@10.706,70.879 C37.1@12.651,70.879
NetC38_2: C38.2 XG1.3 | length 17.9
  Top Layer w0.4: XG1.3@12.648,71.302 12.643,71.307 XG1.3@12.643,73.902 17.375,73.902 ; C38.2@17.285,81.454 C38.2@17.41,81.454 17.41,73.937 17.375,73.902 ; XG1.3@20.263,73.902 17.375,73.902
NetC41_2: C41.2 U3.1 | length 3.4
  Top Layer w0.6: U3.1@45.374,115.776 45.374,116.84 45.726,117.191 C41.2@47.6,117.191
NetC43_1: C43.1 K1.4 | length 3.1
  Top Layer w0.8: C43.1@36.531,78.388 36.544,78.375 K1.4@39.607,78.375
NetC43_2: C43.2 L4.2 U4.3 | length 7.3
  Top Layer w0.6: C43.2@36.495,76.498 C43.2@36.524,76.527 ; C43.2@36.531,76.388 38.559,76.388 38.911,76.037 L4.2@38.911,73.983 39.408,74.48 U4.3@41.357,74.48
NetC47_2: C47.2 C49.1 U4.1 | length 5.8
  Top Layer w0.4: U4.1@44.357,74.48 44.375,74.462 44.375,72.85 44.624,72.601 C49.1@46.646,72.601 ; C47.2@46.694,70.781 C49.1@46.694,72.601
NetC49_2: C49.2 K1.5 | length 4.3
  Top Layer w0.8: K1.5@46.107,78.375 46.646,78.375 C49.2@46.646,74.601
NetC59_2: C59.2 U7.10 | length 4
  Top Layer w0.3: C59.2@56.641,77.017 C59.2@56.638,77.02 56.638,76.895 57.675,75.859 57.675,75.2 58.258,74.617 U7.10@59.154,74.617
NetC60_2: C60.2 FB3.2 U7.16 | length 4.6
  Top Layer w0.3: C60.2@56.638,70.899 C60.2@56.661,70.876 ; FB3.2@56.661,68.813 C60.2@56.661,70.876 ; U7.16@59.154,70.807 56.73,70.807 C60.2@56.661,70.876
NetC63_1: C63.1 U9.1 | length 1.4
  Top Layer w0.4: 84.527,14.951 U9.1@85.879,14.951
NetC63_2: C63.2 R47.1 R48.2 | length 4.2
  Top Layer w0.6: R47.1@79.883,15.127 79.954,15.055 81.755,15.055 C63.2@81.827,14.984 ; R48.2@81.827,12.038 81.827,14.105 ; 81.827,14.134 81.827,14.259
NetC64_1: C64.1 C65.1 C66.1 C68.2 C69.2 DA1.2 DA1.4 FB4.1 L5.2 R49.2 | length 56.2
  Top Layer w0.6: C68.2@115.963,19.337 115.941,19.358 113.786,19.358 C69.2@113.765,19.38 113.762,19.377 113.762,17.22 FB4.1@113.76,17.217 R49.2@115.963,17.217 R49.2@115.973,17.217 ; DA1.2@115.973,15.075 DA1.2@115.975,14.175
  Top Layer w0.8: v6(82.716,4.318) 82.997,4.318 83.547,3.768 C66.1@83.547,1.89
  Top Layer w1: v3(103.7,7.45) 104.575,8.325 C64.1@106.346,8.325 ; C64.1@106.346,8.317 DA1.4@115.917,8.317 ; DA1.2@115.973,15.075 R49.2@115.973,17.217 ; DA1.4@115.975,8.375 DA1.2@115.975,14.175
  Bottom Layer w0.8: v6(82.716,4.318) 84.708,2.325 100.825,2.325 103.7,5.2 v3(103.7,7.45)
NetC67_1: C67.1 L5.1 U9.3 | length 8.8
  Top Layer w0.8: v6(82.716,8.618) 85.746,8.618 85.879,8.75 ; C67.1@85.879,6.251 85.879,8.75 ; U9.3@85.879,11.85 85.879,8.75
NetC67_2: C67.2 C70.2 C71.1 L6.1 | length 8.2
  Top Layer w0.8: C67.2@85.879,4.251 85.903,4.226 91.936,4.226 C70.2@91.961,4.202 91.963,4.204 91.963,6.25 C71.1@91.965,6.252
  other v6: 88.996,4.366
NetC71_2: C71.2 C72.2 C73.1 L7.1 | length 7.9
  Top Layer w0.8: C71.2@91.965,8.252 C73.1@94.382,8.252 ; v6(94.335,5.187) 94.375,5.227 94.375,8.244 C73.1@94.382,8.252 ; C72.2@96.623,8.057 96.623,8.152 96.523,8.252 C73.1@94.382,8.252